# Altium PCB ROS-Robot-Controller.PcbDoc (part 1 of 2)
Units mm, origin at the board's own origin, x right, y up, seen from the top; angles counter-clockwise.
Board outline 50.09 x 64.28 mm, 2 copper layers (Top Layer, Bottom Layer); 82 components, 85 nets, 425 pads, 289 vias.
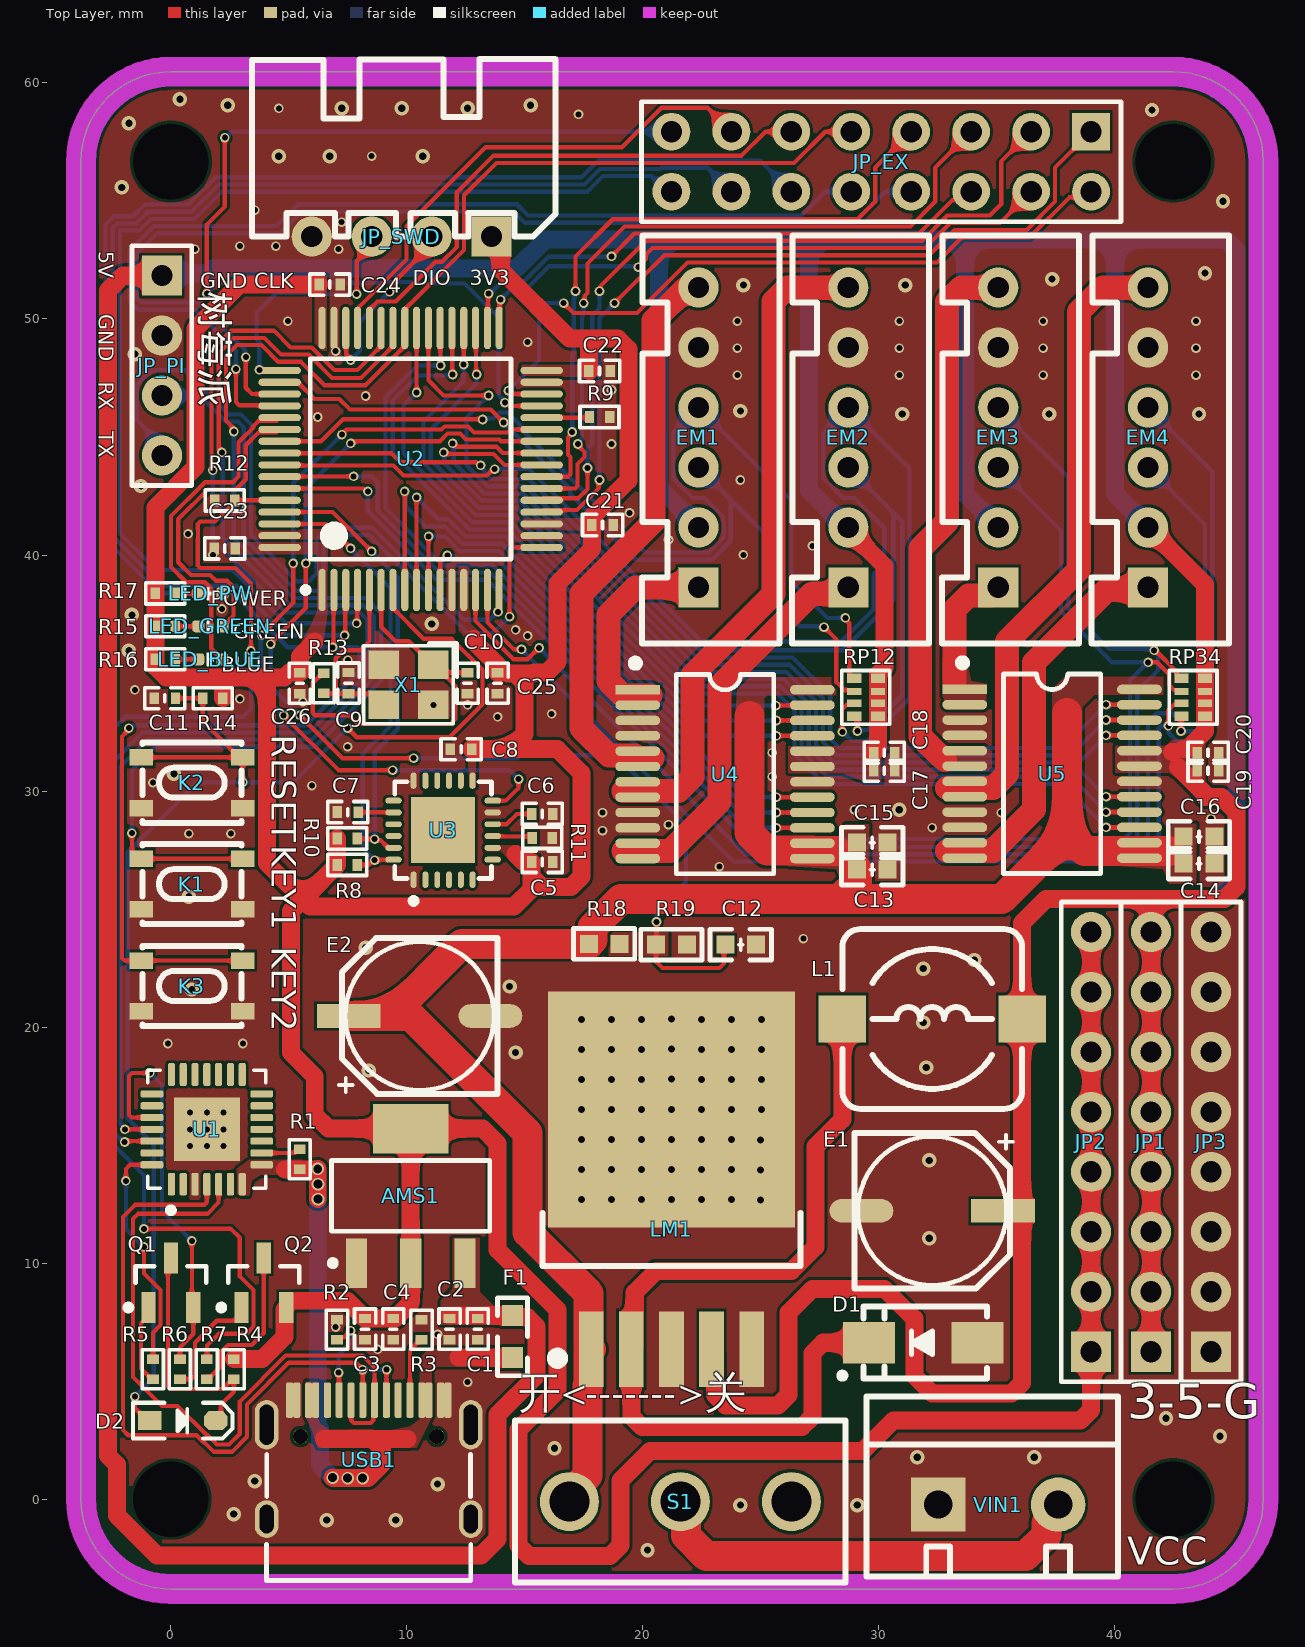
[diagram p0: Top Layer view]
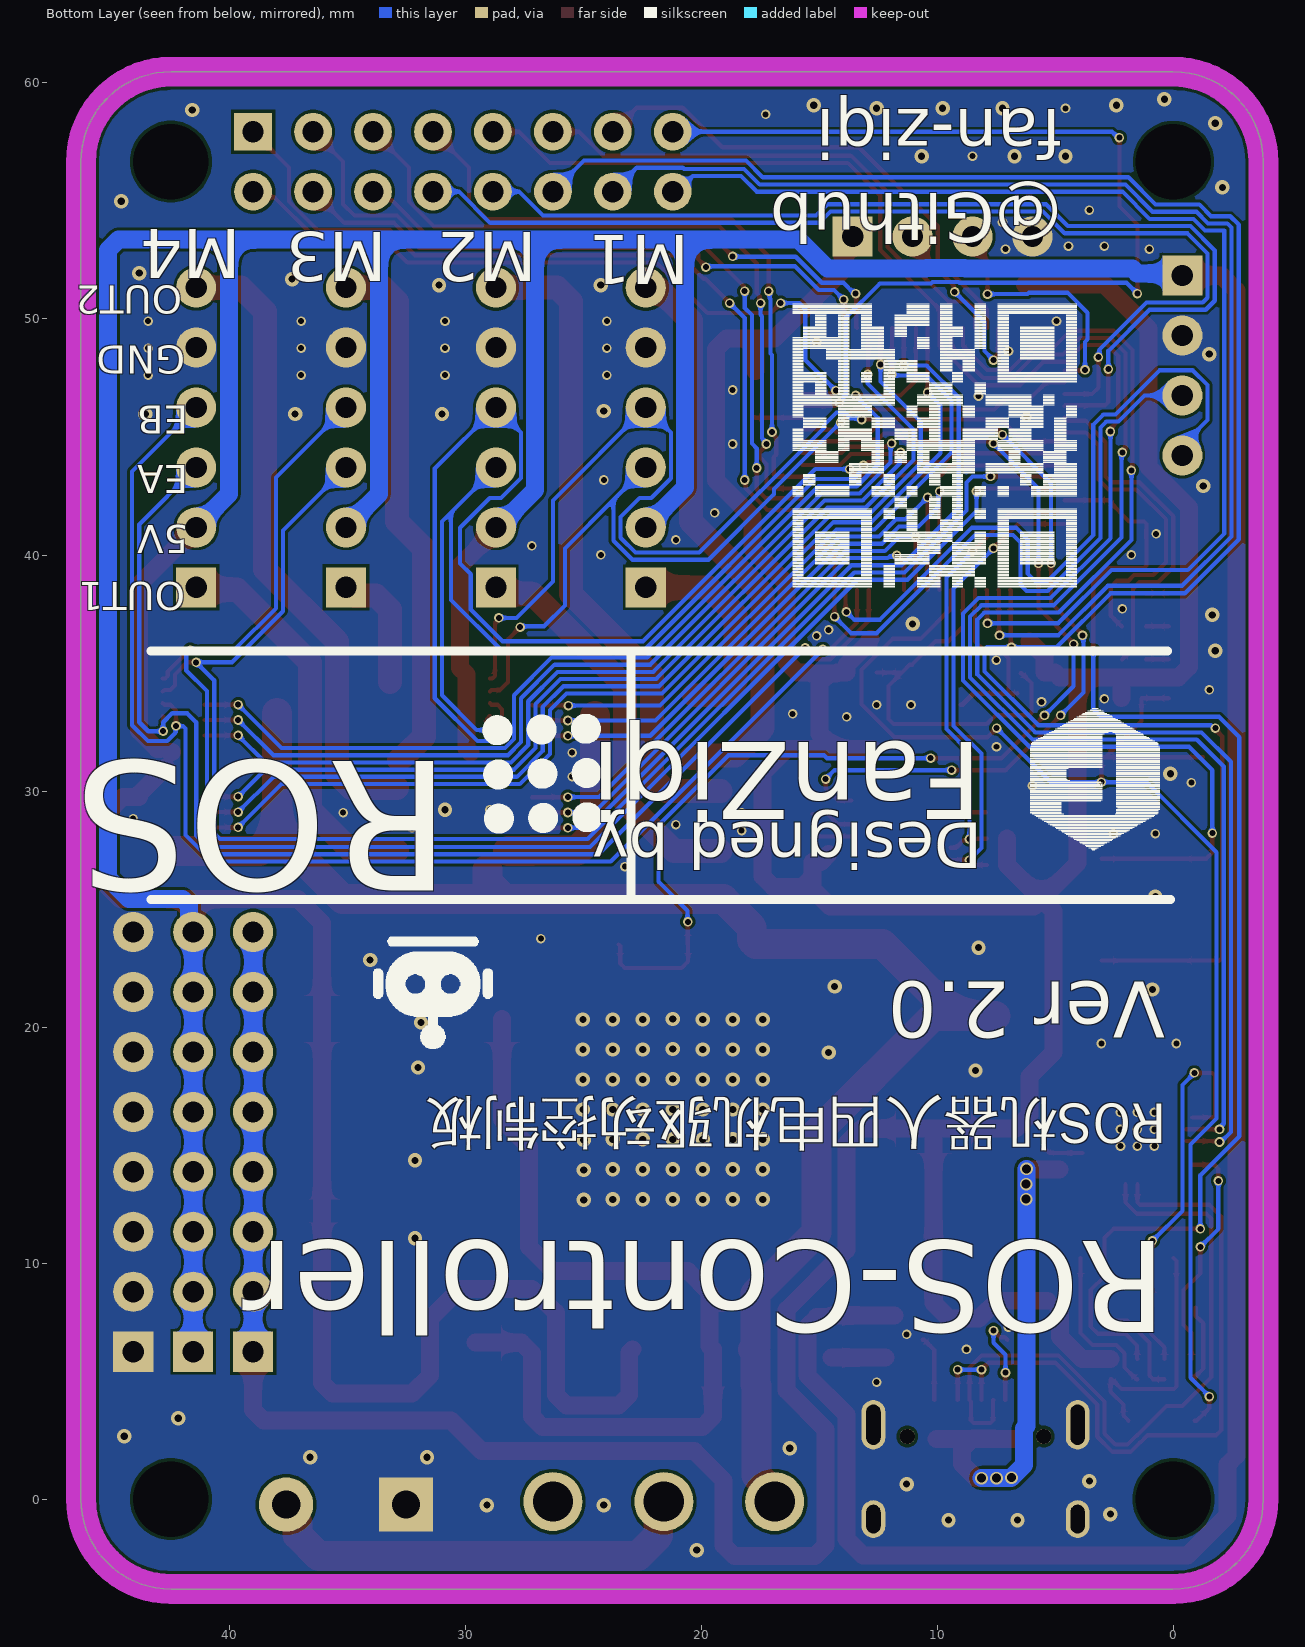
[diagram p1: Bottom Layer view, seen from below]

## Layer stack, top to bottom
Top Solder: solder mask 0.0102, Solder Resist, Dk 3.5
Top Layer: signal copper 0.0356
Dielectric 1: dielectric 0.32, FR-4, Dk 4.8
Bottom Layer: signal copper 0.0356
Bottom Solder: solder mask 0.0102, Solder Resist, Dk 3.5

## Board outline
-3.81,0 ccw(c0,0) 0,-3.81 42.474,-3.81 ccw(c42.474,0) 46.284,0 46.284,56.665 ccw(c42.474,56.665) 42.474,60.475 0,60.475 ccw(c0,56.665) -3.81,56.665

## Design rules (kind name [scope] priority, off if disabled: settings)
Clearance [All] p1: gap=0.127 ignorepadtopadclearanceinfootprint=FALSE except(0: Arc-Text Track-Text SMDPad-Text THPad-Text Via-Text Fill-Text Poly-Text Region-Text Text-Text Text-Hole)
ComponentClearance [All] p1: gap=0 collisioncheckmode=3 verticalgap=0 showdistances=FALSE
DiffPairsRouting [InDifferentialPairClass('USB')] p1: maxlimit=0.178 minlimit=0.127 mostfreqgap=0.152 toplayer_minwidth=0.102 toplayer_maxwidth=0.229 toplayer_prefwidth=0.102 bottomlayer_minwidth=0.102 bottomlayer_maxwidth=0.229 bottomlayer_prefwidth=0.102 maxuncoupledlength=12.7
FanoutControl Fanout_BGA [All] p1: bgadir=Out bgaviamode=Centered fanoutstyle=Auto fanoutdirection=Alternating viagrid=0.025 // Fanout_BGA (Default Rule)
HoleSize [All] p1: absolutevalues=TRUE maxlimit=5.969 minlimit=0.203 maxpercent=80.000 minpercent=20.000
MatchedLengths DiffPair_MatchedLengths [InDifferentialPair ('USB')] p1: tolerance=25.4 checknetsindiffpair=FALSE checkdiffpairvsdiffpair=TRUE checkxsignals=TRUE checkothers=TRUE
MinimumSolderMaskSliver [All] p1 off: minsoldermaskwidth=0.051
NetsToIgnore [InNet('GND')] p1:
PlaneClearance [All] p1: clearance=0.203
PlaneConnect [All] p1: planeconnectstyle=Direct reliefexpansion=0.508 reliefentries=4 reliefconductorwidth=0.254 reliefairgap=0.254
PolygonConnect [All] p1: connectstyle=Direct reliefconductorwidth=0.254 reliefentries=4 polygonreliefangle="90 Angle" airgapwidth=0.254
RoutingVias [All] p1: holewidth=0.254 width=0.406 viastyle="Through Hole" minholewidth=0.152 minwidth=0.305 maxholewidth=0.711 maxwidth=1.27
SMDNeckDown [All] p1: percent=10000.000
SilkToSilkClearance [All] p1: silktosilkclearance=0
SilkToSolderMaskClearance [IsPad] p1: minsilkscreentomaskgap=0 clearancetoexposedcopper=TRUE
SolderMaskExpansion [All] p1: expansion=0.076 istentingtop=FALSE
Width [InNetClass('BuXian')] p1: maxlimit=0.178 minlimit=0.178 preferedwidth=0.178
Width MOTOR [InNetClass('MOTOR')] p2: maxlimit=1.016 minlimit=1.016 preferedwidth=1.016
Width VCC12V [InNetClass('VCC12V')] p3: maxlimit=1.27 minlimit=1.27 preferedwidth=1.27
Width VCC3V3 [InNetClass('VCC3V3')] p4: maxlimit=0.762 minlimit=0.762 preferedwidth=0.762
Width VCC5V [InNetClass('VCC5V')] p5: maxlimit=0.762 minlimit=0.762 preferedwidth=0.762
Width GND [InNet('GND')] p6: maxlimit=1.524 minlimit=1.524 preferedwidth=1.524
21 further rules are at their usual default settings.

## Classes and differential pairs
net class MOTOR: M1OUT1 M1OUT2 M2OUT1 M2OUT2 M3OUT1 M3OUT2 M4OUT1 M4OUT2
net class VCC5V: NetD1_2 USB_5V VCC5V
net class VCC3V3: VCC3V3
net class VCC12V: NetS1_2 VCC12V
net class BuXian: BOOT0 BOOT1 CP2102_D+ CP2102_D- DTR KEY1 KEY2 LED_BLUE LED_GREEN M1EA M1EB M1IN1 M1IN2 M1PWM M2EA M2EB M2IN1 M2IN2 M2PWM M3EA M3EB M3IN1 M3IN2 M3PWM M4EA M4EB M4IN1 M4IN2 M4PWM MPU6050_INT MPU6050_SCL MPU6050_SDA NetC6_2 NetC7_1 NetD2_2 NetLED_BLUE_1 NetLED_GREEN_1 NetLED_PW_1 NetQ1_1 NetQ2_1 NetQ2_3 NetR1_1 NetR2_2 NetR3_2 NetR11_2 OSCIN OSCOUT PA4 PA5 PA6 PA7 PA11 PA12 PB10 PB11 PB12 PB13 PC10 PC11 PC14 PC15 RESET RTS SWCLK SWDIO USART1_RX_DEBUG USART1_TX_DEBUG USART2_RX_PI USART2_TX_PI VIN_ADC

## Components (designator, comment, footprint, x,y, rotation, side; value= is the part's Value field where it differs from the comment)
AMS1 "AMS1117-3V3" SOT223_L 10.16,12.85 r90 top
C1 "22uf" C0402_L 13.005,7.204 r90 top
C2 "0.1uf" C0402_L 11.811,7.204 r90 top
C3 "0.1uf" C0402_L 8.23,7.204 r90 top
C4 "22uf" C0402_L 9.423,7.204 r90 top
C5 "0.1uf" C0402_L 15.739,26.999 r180 top
C6 "0.1uf" C0402_L 15.739,29.031 r180 top
C7 "2.2nf" C0402_L 7.493,29.106 r180 top
C8 "0.1uf" C0402_L 12.296,31.773 r180 top
C9 "20pf" C0402_L 7.527,34.574 r90 top
C10 "20pf" C0402_L 12.573,34.567 r270 top
C11 "0.1uf" C0402_L -0.254,33.932 r0 top
C12 "0.1uf" C0603_L 24.145,23.495 r180 top
C13 "0.1uf" C0603_L 29.718,26.67 r180 top
C14 "0.1uf" C0603_L 43.561,26.924 r180 top
C15 "10uf" C0603_L 29.718,27.813 r180 top
C16 "10uf" C0603_L 43.561,28.067 r180 top
C17 "0.1uf" C0402_L 30.226,30.861 r0 top
C18 "10uf" C0402_L 30.226,31.623 r180 top
C19 "0.1uf" C0402_L 43.942,30.861 r0 top
C20 "10uf" C0402_L 43.942,31.623 r180 top
C21 "0.1uf" C0402_L 18.288,41.275 r180 top
C22 "0.1uf" C0402_L 18.161,47.798 r180 top
C23 "0.1uf" C0402_L 2.286,40.282 r0 top
C24 "0.1uf" C0402_L 6.731,51.458 r180 top
C25 "0.1uf" C0402_L 13.843,34.567 r90 top
C26 "0.1uf" C0402_L 5.461,34.567 r90 top
D1 "SS54" SMA 31.877,6.627 r180 top
D2 "1N4148" SOD-323 0.508,3.325 r0 top
E1 "220uf/16V" "CE D(6.3*7.7)" 32.258,12.215 r0 top
E2 "100uf/35V" "CE D(6.3*7.7)" 10.541,20.47 r180 top
EM1 "HDR-1X6" XH2.54-LI-6P 22.352,44.981 r90 top
EM2 "HDR-1X6" XH2.54-LI-6P 28.702,44.981 r90 top
EM3 "HDR-1X6" XH2.54-LI-6P 35.052,44.981 r90 top
EM4 "HDR-1X6" XH2.54-LI-6P 41.402,44.981 r90 top
F1 "MSMD200-8V 2A" "FU 0603" 14.478,6.881 r90 top
JP1 "HDR-1X8" HDR2.54-LI-8P 41.529,15.136 r90 top
JP2 "HDR-1X8" HDR2.54-LI-8P 38.989,15.136 r90 top
JP3 "HDR-1X8" HDR2.54-LI-8P 44.069,15.136 r90 top
JP_EX "Header 8X2" HDR2.54-LI-2x8P 30.099,56.665 r180 top
JP_PI "HDR-1X4" HDR2.54-LI-4P -0.381,48.029 r270 top
JP_SWD "HDR-1X4" XH2.54-WI-4P 9.779,53.49 r180 top
K1 "TACT 4P" SW-SMD_4P-L4.2-W3.3-P2.15-LS5.1 0.889,26.058 r0 top value=3.4x3.5
K2 "TACT 4P" SW-SMD_4P-L4.2-W3.3-P2.15-LS5.1 0.889,30.353 r0 top value=3.4x3.5
K3 "TACT 4P" SW-SMD_4P-L4.2-W3.3-P2.15-LS5.1 0.889,21.74 r0 top value=3.4x3.5
L1 "33uH" CDRH74 32.258,20.343 r0 top
LED_BLUE "红色" LED_0402_RED 1.672,35.583 r0 top
LED_GREEN "红色" LED_0402_RED 1.672,36.98 r0 top
LED_PW "红色" LED_0402_RED 1.672,38.377 r0 top
LM1 "LM2596S" TO263-5A 21.209,6.096 r0 top
Q1 "SS8050" SOT23-3N 0,9.167 r90 top
Q2 "SS8550" SOT23-3N 3.937,9.167 r90 top
R1 "4.7K" R0402_L 5.461,14.397 r270 top
R2 "5.1K" R0402_L 7.036,7.179 r270 top
R3 "5.1K" R0402_L 10.617,7.179 r270 top
R4 "10K" R0402_L 2.667,5.507 r270 top
R5 "1K" R0402_L -0.762,5.507 r270 top
R6 "1K" R0402_L 0.381,5.507 r270 top
R7 "1K" R0402_L 1.524,5.507 r90 top
R8 "4.7K" R0402_L 7.468,26.872 r180 top
R9 "10K" R0402_L 18.161,45.847 r0 top
R10 "4.7K" R0402_L 7.468,27.989 r180 top
R11 "10K" R0402_L 15.739,28.015 r180 top
R12 "10K" R0402_L 2.286,42.314 r180 top
R13 "1M" R0402_L 6.477,34.567 r270 top
R14 "10K" R0402_L 1.778,33.932 r0 top
R15 "1K" R0402_L -0.233,36.98 r180 top
R16 "1K" R0402_L -0.233,35.583 r180 top
R17 "1K" R0402_L -0.233,38.377 r180 top
R18 "10K" R0603_L 18.356,23.526 r180 top
R19 "1K" R0603_L 21.209,23.495 r180 top
RP12 "4.7K" RCA-8P4R-0402 29.456,33.97 r270 top
RP34 "4.7K" RCA-8P4R-0402 43.315,33.97 r270 top
S1 "SS-12F23" SS-12D10 21.589,-0.104 r180 top
U1 "CP2102" QFN-28 1.524,15.667 r90 top value=Value
U2 "STM32F103RCT6" LQFP64_N 10.16,44.069 r90 top
U3 "MPU6050" QFN-24 11.534,28.344 r90 top
U4 "TB6612FNG" SSOP24_M 23.478,30.716 r0 top
U5 "TB6612FNG" SSOP24_M 37.338,30.734 r0 top
USB1 "Type-C" Type-C-TOP 8.382,1.674 r270 top
VIN1 "HDR-1X2" KF301-5.0-2P 37.592,-0.231 r0 top
X1 "8M" "OSC 3225-4P" 10.067,34.505 r180 top

## Footprints (in the part's own frame and the unit in brackets; to place one, negate y for a bottom-side part, rotate by r counter-clockwise, add the part's x,y. Pads: shape width x height; smd on the part's side, far side on the other; paste and mask are expansions set on the pad)
C0402_L [mm] "无极性贴片电容"
  rect 0.4x0.5 smd: 1(-0.45,0) 2(0.45,0)
  silkscreen extent -0.85,-0.45 0.85,0.45, body extent -0.5,-0.26 0.5,0.26, height 0.54
C0603_L [mil] "无极性贴片电容"
  rect 30x30 smd: 1(-25.59,0) 2(25.59,0)
  silkscreen extent -51,-26 51,26, body extent -31,-16 32,16, height 33
CDRH74 [mm] "7.3*7.3*4.5mm（长宽高）"
  rect 2x2 smd: 1(-3.81,0) 2(3.81,0)
  silkscreen extent -3.81,-3.81 3.81,3.81, body extent -3.65,-3.65 3.65,3.65, height 4.52
"CE D(6.3*7.7)" [mm] "贴片电解电容，直径6.3mm，高7.7mm"
  rect 2.7x1 smd: 1(3,0)
  oval 2.7x1 smd: 2(-3,0)
  silkscreen extent -3.3,-3.3 3.43,3.3, body extent -3.5,-3.3 3.5,3.3, height 7.75
"FU 0603" [mil] "贴片保险丝"
  rect 35x35 smd: 1(-35,0) 2(35,0)
  silkscreen extent -65,-25 65,25, body extent -31,-16 32,16, height 20
HDR2.54-LI-2x8P [mm] "双排排针，8x2脚"
  rect 1.6x1.6 hole 0.9: 1(-8.89,-1.27)
  round 1.6 hole 0.9: 2(-8.89,1.27) 3(-6.35,-1.27) 4(-6.35,1.27) 5(-3.81,-1.27) 6(-3.81,1.27) 7(-1.27,-1.27) 8(-1.27,1.27) 9(1.27,-1.27) 10(1.27,1.27) 11(3.81,-1.27) 12(3.81,1.27) 13(6.35,-1.27) 14(6.35,1.27) 15(8.89,-1.27) 16(8.89,1.27)
  silkscreen extent -10.16,-2.54 10.16,2.54, body extent -10.16,-2.54 10.16,2.54, height 8.5
HDR2.54-LI-4P [mm] "排针，4脚"
  rect 1.7x1.7 hole 0.9: 1(-3.81,0)
  round 1.7 hole 0.9: 2(-1.27,0) 3(1.27,0) 4(3.81,0)
  silkscreen extent -5.08,-1.27 5.08,1.27, body extent -5.08,-1.27 5.08,1.27, height 2.54
HDR2.54-LI-8P [mm] "排针，8脚  淘宝ID:黄晶宝石   店铺网址:https://shop463601444.taobao.com"
  rect 1.7x1.7 hole 0.9: 1(-8.89,0)
  round 1.7 hole 0.9: 2(-6.35,0) 3(-3.81,0) 4(-1.27,0) 5(1.27,0) 6(3.81,0) 7(6.35,0) 8(8.89,0)
  silkscreen extent -10.16,-1.27 10.16,1.27, body extent -10.16,-1.27 10.16,1.27, height 2.54
KF301-5.0-2P [mm] "可拼接端子/6A"
  rect 2.3x2.3 hole 1.2: 1(-5.08,0)
  round 2.3 hole 1.2: 2(0,0)
  silkscreen extent -8.13,-3.05 2.54,4.57, body extent -7.95,-3 2.55,4.6, height 3.29
LED_0402_RED [mil]
  rrect50% 20x20 smd: 1(-20,0) 2(20,0)
  silkscreen extent -6,-11 6,10, body extent -20,-10 20,10, height 18
LQFP64_N [mm] "Thin QFP, 64-Leads, Body 10x10mm, Pitch 0.5mm, IPC Medium Density封装库来自淘宝 ID：黄晶宝石"
  oval 1.8x0.3 smd: 1(-5.55,3.75) 2(-5.55,3.25) 3(-5.55,2.75) 4(-5.55,2.25) 5(-5.55,1.75) 6(-5.55,1.25) 7(-5.55,0.75) 8(-5.55,0.25) 9(-5.55,-0.25) 10(-5.55,-0.75) 11(-5.55,-1.25) 12(-5.55,-1.75) 13(-5.55,-2.25) 14(-5.55,-2.75) 15(-5.55,-3.25) 16(-5.55,-3.75) 33(5.55,-3.75) 34(5.55,-3.25) 35(5.55,-2.75) 36(5.55,-2.25) 37(5.55,-1.75) 38(5.55,-1.25) 39(5.55,-0.75) 40(5.55,-0.25) 41(5.55,0.25) 42(5.55,0.75) 43(5.55,1.25) 44(5.55,1.75) 45(5.55,2.25) 46(5.55,2.75) 47(5.55,3.25) 48(5.55,3.75)
  oval 0.3x1.8 smd: 17(-3.75,-5.55) 18(-3.25,-5.55) 19(-2.75,-5.55) 20(-2.25,-5.55) 21(-1.75,-5.55) 22(-1.25,-5.55) 23(-0.75,-5.55) 24(-0.25,-5.55) 25(0.25,-5.55) 26(0.75,-5.55) 27(1.25,-5.55) 28(1.75,-5.55) 29(2.25,-5.55) 30(2.75,-5.55) 31(3.25,-5.55) 32(3.75,-5.55) 49(3.75,5.55) 50(3.25,5.55) 51(2.75,5.55) 52(2.25,5.55) 53(1.75,5.55) 54(1.25,5.55) 55(0.75,5.55) 56(0.25,5.55) 57(-0.25,5.55) 58(-0.75,5.55) 59(-1.25,5.55) 60(-1.75,5.55) 61(-2.25,5.55) 62(-2.75,5.55) 63(-3.25,5.55) 64(-3.75,5.55)
  silkscreen extent -5.67,-4.25 4.25,4.57, body extent -6,-6 6,6, height 1.45
"OSC 3225-4P" [mm] "3.2*2.5*0.7mm(长宽高)"
  rect 1.3x1.2 smd: 1(-1.05,-0.85) 2(1.05,-0.85) 3(1.05,0.85) 4(-1.05,0.85)
  silkscreen extent -2.03,-1.75 1.91,1.65, body extent -1.6,-1.25 1.6,1.25, height 0.7
QFN-24 [mm] "QFN, 24-Leads, Body 4.1x4.1mm (max), Pitch 0.50mm, IPC Low Density"
  oval 0.7x0.25 smd: 1(-2.1,1.25) 2(-2.1,0.75) 3(-2.1,0.25) 4(-2.1,-0.25) 5(-2.1,-0.75) 6(-2.1,-1.25) 13(2.1,-1.25) 14(2.1,-0.75) 15(2.1,-0.25) 16(2.1,0.25) 17(2.1,0.75) 18(2.1,1.25)
  oval 0.25x0.7 smd: 7(-1.25,-2.1) 8(-0.75,-2.1) 9(-0.25,-2.1) 10(0.25,-2.1) 11(0.75,-2.1) 12(1.25,-2.1) 19(1.25,2.1) 20(0.75,2.1) 21(0.25,2.1) 22(-0.25,2.1) 23(-0.75,2.1) 24(-1.25,2.1)
  rect 2.8x2.7 smd: ""(0,0)
  silkscreen extent -3.12,-2.05 2.05,2.05, body extent -2.02,-2.02 2.02,2.02, height 0.95
QFN-28 [mil]
  rrect50% 38x12 smd mask+5: 1(-91.5,59.05) 2(-91.5,39.37) 3(-91.5,19.68) 4(-91.5,0) 5(-91.5,-19.69) 6(-91.5,-39.37) 7(-91.5,-59.06) 15(91.5,-59.06) 16(91.5,-39.37) 17(91.5,-19.69) 18(91.5,0) 19(91.5,19.68) 20(91.5,39.37) 21(91.5,59.05)
  rrect50% 12x38 smd mask+5: 8(-59.05,-91.5) 9(-39.37,-91.5) 10(-19.68,-91.5) 11(0,-91.5) 12(19.69,-91.5) 13(39.37,-91.5) 14(59.06,-91.5) 22(59.06,91.5) 23(39.37,91.5) 24(19.69,91.5) 25(0,91.5) 26(-19.68,91.5) 27(-39.37,91.5) 28(-59.05,91.5)
  rect 106.3x110.24 smd: 29(0,0)
  silkscreen extent -140,-98 99,98, body extent -98,-98 98,98, height 35
R0402_L [mm] "1/16W贴片电阻"
  rect 0.4x0.5 smd: 1(-0.425,0) 2(0.425,0)
  silkscreen extent -0.83,-0.45 0.83,0.45, body extent -0.5,-0.25 0.5,0.25, height 0.3
R0603_L [mil] "1/10W贴片电阻"
  rect 30x30 smd: 1(-25.59,0) 2(25.59,0)
  silkscreen extent -51,-26 51,26, body extent -31,-16 32,16, height 16
RCA-8P4R-0402 [mm] "2mm*1mm*0.45mm(长*宽*厚)             淘宝ID:黄晶宝石"
  rect 0.4x0.6 smd: 1(-0.8,-0.5) 4(0.8,-0.5) 5(0.8,0.5) 8(-0.8,0.5)
  rect 0.3x0.6 smd: 2(-0.25,-0.5) 3(0.25,-0.5) 6(0.25,0.5) 7(-0.25,0.5)
  silkscreen extent -1.14,-1.02 1.15,1.01, body extent -1,-0.5 1,0.5, height 0.45
SMA [mm] "4.5x2.6*2.2mm（长宽高，不包括引脚）"
  rect 2.2x1.75 smd: 1(-2.3,0) 2(2.3,0)
  silkscreen extent -2.7,-1.52 3.56,1.52, body extent -2.55,-1.3 2.55,1.3, height 2.15
SOD-323 [mm] "1.8x1.3X0.9mm（长宽高，不包括引脚）"
  rect 1x0.8 smd: 1(-1.4,0)
  oct 1x0.8 smd: 2(1.4,0)
  silkscreen extent -2.11,-0.76 2.11,0.76, body extent -1.32,-0.65 1.32,0.65, height 0.95
SOT23-3N [mm] "SOT23, 3-Leads, Body 2.9x1.3mm, Pitch 0.95mm, Lead Span 2.4mm, IPC Medium Density"
  rect 1.3x0.6 smd: 1(-1.05,0.95) 2(-1.05,-0.95) 3(1.05,0)
  silkscreen extent -1.17,-1.5 0.7,1.92, body extent -1.2,-1.5 1.2,1.5, height 1.05
SOT223_L [mm] "SOT223, 4-Leads, Body 6.5x3.5mm, Pitch 2.3mm, Lead Span 7mm, IPC High Density"
  rect 2.1x0.9 smd: 1(-2.85,2.3) 2(-2.85,0) 3(-2.85,-2.3)
  rect 2.1x3.2 smd: 4(2.85,0)
  silkscreen extent -2.97,-3.35 1.5,3.42, body extent -1.85,-3.35 1.85,3.35, height 1.7
SS-12D10 [mm] "脚距3mm      淘宝ID:黄晶宝石"
  round 2.5 hole 1.7: 1(-4.7,0) 2(0,0) 3(4.7,0)
  silkscreen extent -7,-3.43 7,3.43, body extent -7,-3.1 7,3.1, height 9.65
SSOP24_M [mm] "8.3*7.8*1.6（长宽高）"
  rect 1.9x0.4 smd: 1(-3.7,3.575)
  oval 1.9x0.4 smd: 2(-3.7,2.925) 3(-3.7,2.275) 4(-3.7,1.625) 5(-3.7,0.975) 6(-3.7,0.325) 7(-3.7,-0.325) 8(-3.7,-0.975) 9(-3.7,-1.625) 10(-3.7,-2.275) 11(-3.7,-2.925) 12(-3.7,-3.575) 13(3.7,-3.575) 14(3.7,-2.925) 15(3.7,-2.275) 16(3.7,-1.625) 17(3.7,-0.975) 18(3.7,-0.325) 19(3.7,0.325) 20(3.7,0.975) 21(3.7,1.625) 22(3.7,2.275) 23(3.7,2.925) 24(3.7,3.575)
  silkscreen extent -3.93,-4.23 2.07,4.83, body extent -3.85,-4.15 3.85,4.15, height 1.65
SW-SMD_4P-L4.2-W3.3-P2.15-LS5.1 [mm]
  rect 1x0.7 smd: 1(-2.15,1.075) 2(2.15,1.075) 3(-2.15,-1.075) 4(2.15,-1.075)
  silkscreen extent -2.1,-1.7 2.1,1.7
TO263-5A [mm] "263，5脚晶体管"
  rect 1.05x3.2 smd: 1(-3.4,0.254) 2(-1.7,0.254) 3(0,0.254) 4(1.7,0.254) 5(3.4,0.254)
  rect 10.45x10 smd: 6(0,10.414)
  silkscreen extent -5.46,-0.33 5.46,6.04, body extent -5,0.24 5,13.57, height 4.5
Type-C-TOP [mm]
  round 0.65 hole 0.65: 0(-0.98,2.89) 0(-0.98,-2.89)
  oval 1.6x1 hole 0.6 slot 1.2 at 0 deg: 1(2.52,4.325) 2(2.52,-4.325)
  oval 2.1x1 hole 0.6 slot 1.7 at 0 deg: 3(-1.48,-4.325) 4(-1.48,4.325)
  rrect50% 1.5x0.3 smd: A1(-2.52,-3.35) A4(-2.52,-2.55) A5(-2.52,-1.25) A6(-2.52,-0.25) A7(-2.52,0.25) A8(-2.52,1.25) A9(-2.52,2.55) A12(-2.52,3.35) B1(-2.52,3.05) B4(-2.52,2.25) B5(-2.52,1.75) B6(-2.52,0.75) B7(-2.52,-0.75) B8(-2.52,-1.75) B9(-2.52,-2.25) B12(-2.52,-3.05)
  silkscreen extent -0.22,-4.33 5.12,4.32, body extent -2.57,-4.48 5.18,4.48, height 3.26
XH2.54-LI-6P [mm] "接插件，6P"
  rect 1.7x1.7 hole 0.9: 1(-6.35,0)
  round 1.7 hole 0.9: 2(-3.81,0) 3(-1.27,0) 4(1.27,0) 5(3.81,0) 6(6.35,0)
  silkscreen extent -8.74,-3.43 8.56,2.39, body extent -8.85,-3.3 8.85,2.4, height 7.05
XH2.54-WI-4P [mm] "接插件，4P"
  rect 1.7x1.7 hole 0.9: 1(-3.81,0)
  round 1.7 hole 0.9: 2(-1.27,0) 3(1.27,0) 4(3.81,0)
  silkscreen extent -6.53,-7.53 6.35,0, body extent -6.31,-7.5 6.31,0.2, height 2.89

## Part data
AMS1: library part AMS1117, "三端稳压芯片", BOM名称=稳压芯片, 封装库来自淘宝卖家 ID：黄晶宝石=其他店铺购入均为盗版，请立即申请退款，本店现金奖励5~20元, 联系卖家 免费查找封装=唯一出售店铺网址https://shop463601444.taobao.com
C1 C2 C3 C4 C5 C6 C7 C8 C9 C10 C11 C12 C13 C14 C15 C16 C17 C18 C19 C20 C21 C22 C23 C24 C25 C26: library part C, "贴片电容", BOM名称=无极性贴片电容, 封装库来自淘宝卖家ID：黄晶宝石=其他店铺购入均为盗版假冒封装库，请立即申请退款, 联系卖家，免费查找封装=唯一出售店铺网址https://shop463601444.taobao.com
D1: library part SS14, "肖特基二极管(5A/40V)", BOM名称=肖特基二极管, 属性=40V/1A, 联系卖家，免费查找封装=唯一出售店铺网址https://shop463601444.taobao.com
D2: "开关二极管", BOM名称=高速开关二极管, 联系卖家，免费查找封装=唯一出售店铺网址https://shop463601444.taobao.com
E1 E2: library part CE_SMD, "贴片电解电容", BOM名称=贴片电解电容, 封装库来自淘宝卖家ID：黄晶宝石=其他店铺购入均为盗版假冒封装库，请立即申请退款, 联系卖家，免费查找封装=唯一出售店铺网址https://shop463601444.taobao.com
EM1 EM2 EM3 EM4: library part "Header 6", "6P接插件", BOM名称=6P接插件, 封装库来自淘宝卖家 ID：黄晶宝石=其他店铺购入均为盗版假冒封装库, 联系卖家，免费查找封装=唯一出售店铺网址https://shop463601444.taobao.com
F1: library part FU, "贴片保险丝", BOM名称=贴片保险丝, 联系卖家，免费查找封装=唯一出售店铺网址https://shop463601444.taobao.com
JP1 JP2 JP3: library part "Header 8", "8P接插件", BOM名称=8P接插件, 封装库来自淘宝卖家 ID：黄晶宝石=其他店铺购入均为盗版假冒封装库, 联系卖家，免费查找封装=唯一出售店铺网址https://shop463601444.taobao.com
JP_EX: "8*2P接插件", BOM名称=8*2P接插件, 封装库来自淘宝卖家 ID：黄晶宝石=其他店铺购入均为盗版假冒封装库, 联系卖家，免费查找封装=唯一出售店铺网址https://shop463601444.taobao.com
JP_PI JP_SWD: library part "Header 4", "4P接插件", BOM名称=4P接插件, 封装库来自淘宝卖家 ID：黄晶宝石=其他店铺购入均为盗版假冒封装库, 联系卖家，免费查找封装=唯一出售店铺网址https://shop463601444.taobao.com
K1 K2 K3: library part ButtonTACT, "Button", Type="TACT 4P"
L1: library part L-CDRH, "CDRH功率屏蔽电感", BOM名称=功率屏蔽电感, 封装库来自淘宝卖家ID：黄晶宝石=其他店铺购入均为盗版假冒封装库，请立即申请退款, 联系卖家，免费查找封装=唯一出售店铺网址https://shop463601444.taobao.com
LED_BLUE LED_GREEN LED_PW: library part LED-SMD, "贴片LED", BOM名称=贴片LED, 封装库来自淘宝卖家 ID：黄晶宝石=其他店铺购入均为假冒，请立即申请退款，本店奖励现金5~20元
LM1: "3A DC-DC降压芯片", BOM名称=DC降压芯片, 封装库来自淘宝卖家 ID：黄晶宝石=其他店铺购入均为盗版，请立即申请退款，本店现金奖励5~20元, 联系卖家 免费查找封装=唯一出售店铺网址https://shop463601444.taobao.com
Q1: library part 8050-SMD, "高频放大-NPN型", BOM名称=高频放大-NPN型, 参数="40V 1.5A 1W 100MHZ", 封装库来自淘宝卖家 ID：黄晶宝石=其他店铺购入均为盗版，不享受售后技术支持服务，请立即申请退款, 联系卖家，免费查找封装=唯一出售店铺网址https://shop463601444.taobao.com
Q2: library part 8550-SMD, "高频放大-PNP型", BOM名称=高频放大-PNP型, 参数="40V 1.5A 1W 100MHZ", 封装库来自淘宝卖家 ID：黄晶宝石=其他店铺购入均为盗版，不享受售后技术支持服务，请立即申请退款, 联系卖家，免费查找封装=唯一出售店铺网址https://shop463601444.taobao.com
R1 R2 R3 R4 R5 R6 R7 R8 R9 R10 R11 R12 R13 R14 R15 R16 R17 R18 R19: library part R, "贴片电阻", BOM名称=贴片电阻, 封装库来自淘宝卖家ID：黄晶宝石=其他店铺购入均为盗版假冒封装库，请立即申请退款, 联系卖家，免费查找封装=唯一出售店铺网址https://shop463601444.taobao.com
RP12 RP34: library part R-8P4R, "贴片4P排阻", BOM名称=贴片网络排阻, 封装库来自淘宝卖家ID：黄晶宝石=其他店铺购入均为盗版假冒封装库，请立即申请退款, 联系卖家，免费查找封装=唯一出售店铺网址https://shop463601444.taobao.com
S1: library part SSW-1P, "1路波动开关", BOM名称=波动开关, 联系卖家，免费查找封装=唯一出售店铺网址https://shop463601444.taobao.com
U1: "USB转TTL", MFG #1="SILICON LABS", PART DESC="SINGLE-CHIP USB TO UART BRIDGE, QFN28, RoHS.", PART NUMBER=CP2102, RefDes=RefDes, Type=DEV
U2: "STM32 ARM-based 32-bit MCU Performance Line with 256 kB Flash, 48 kB Internal RAM, -40 to +85癈 Temperature, 64-Pin LQFP, Tray", ComponentLink1Description="Manufacturer URL", ComponentLink1URL=http://www.st.com/, ComponentLink2Description="STM32F103 Datasheet", ComponentLink2URL=http://www.st.com/internet/com/TECHNICAL_RESOURCES/TECHNICAL_LITERATURE/DATASHEET/CD00191185.pdf, ComponentLink3Description="STM32 Family Web Page", ComponentLink3URL=www.st.com/stm32, DatasheetVersion="rev8.0, Apr-2011", PackageDescription="64-Pin Low-Profile Quad Flat Pack, 10 x 10 mm Body, 0.5 mm Pitch (LQFP64)", PackageReference=LQFP64, PackageVersion="rev13, Apr-2011", 联系卖家，免费查找封装=唯一出售店铺网址https://shop463601444.taobao.com
U3: "六轴传感器"
U4 U5: "电机驱动", BOM名称=TB6612FNG, 联系卖家，免费查找封装=唯一出售店铺网址https://shop463601444.taobao.com
USB1: library part USB-Type-C-TOP
VIN1: library part "Header 2", "2P接插件", BOM名称=2P接插件, 封装库来自淘宝卖家 ID：黄晶宝石=其他店铺购入均为盗版假冒封装库, 联系卖家，免费技术支持=唯一出售店铺网址https://shop463601444.taobao.com
X1: library part XTAL-4P, "4脚无源晶振", BOM名称=4脚无源晶振, 联系卖家，免费查找封装=唯一出售店铺网址https://shop463601444.taobao.com

## Free pads (board coordinates)
  round 0 hole 3.2: 5(0,0) 5(0,56.665) 5(42.474,0) 5(42.474,56.665)

## Via types
v1: diameter 0.406, hole 0.254, Top Layer to Bottom Layer, tented both sides, 181 vias
v2: diameter 0.61, hole 0.305, Top Layer to Bottom Layer, tented both sides, 102 vias
v3: diameter 0.533, hole 0.381, Top Layer to Bottom Layer, tented both sides, 6 vias

## Nets (pads, with @x,y where several pads share a name; then routed paths per layer and width w, separated by ;. In a path a pad name is that pad's centre, name@x,y a point inside that pad or via, vN(x,y) a via of type N, cw(c..) or ccw(c..) an arc to the next point about the centre after c; other vN are vias at no path point)
BOOT0: R7.2 R12.1 U2.60 | length 52.9
  Top Layer w0.178: v1(-1.143,11.453) 2.54,11.453 2.921,11.072 2.921,9.438 3.503,8.856 3.503,7.313 3.198,7.008 2.032,7.008 1.536,6.512 1.536,5.944 R7.2@1.524,5.932 ; R12.1@2.711,42.314 2.711,42.264 1.872,41.425 1.247,41.425 1.143,41.321 1.143,41.074 1.149,41.068 1.149,40.72 1.143,40.714 1.143,39.561 1.247,39.457 2.73,39.457 3.391,38.796 v1(3.391,35.941) ; R12.1@2.711,42.319 U2.60@4.61,42.319
  Bottom Layer w0.178: v1(-1.143,11.453) -1.143,13.725 -2.794,15.376 -2.794,32.281 -1.928,33.147 3.071,33.147 3.391,33.467 v1(3.391,35.941)
BOOT1: R9.1 U2.28 | length 2
  Top Layer w0.178: U2.28@15.71,45.819 17.708,45.819 R9.1@17.736,45.847
CP2102_D+: U1.4 USB1.A6 USB1.B6 | length 30.2
  Top Layer w0.178: U1.4@1.524,13.343 1.524,12.578 1.415,12.469 -1.524,12.469 -2.032,11.961 -2.032,2.933 -1.804,2.705 1.092,2.705 1.392,2.404 1.421,2.404 1.821,2.004 2.587,2.004 3.226,2.643 3.226,4.011 4.991,5.776 7.836,5.776 8.13,5.482 USB1.A6@8.13,4.196 ; USB1.B6@9.132,4.194 9.138,4.2 9.138,5.478 v1(9.144,5.484)
  Bottom Layer w0.178: v1(8.128,5.484) v1(9.144,5.484)
CP2102_D-: U1.5 USB1.A7 USB1.B7 | length 29.6
  Top Layer w0.178: U1.5@2.024,13.343 2.024,12.565 1.547,12.088 -1.397,12.088 -1.608,11.877 -1.608,5.173 -0.376,3.941 0.287,3.941 1.519,2.709 1.547,2.709 1.947,2.309 2.46,2.309 2.921,2.77 2.921,4.137 4.865,6.081 8.124,6.081 8.632,5.573 USB1.A7@8.632,4.194 8.571,4.133 8.571,3.325 8.467,3.221 7.745,3.221 7.641,3.325 7.641,4.185 USB1.B7@7.632,4.194
DTR: R5.1 U1.28 | length 10
  Top Layer w0.178: v1(-1.905,13.485) -1.905,13.993 -1.731,14.167 U1.28@-0.8,14.167 ; v1(-1.143,10.691) -1.143,9.565 -0.434,8.856 -0.434,7.378 -0.762,7.05 R5.1@-0.762,5.932
  Bottom Layer w0.178: v1(-1.905,13.485) -1.905,11.453 v1(-1.143,10.691)
GND: AMS1.1 C1.1 C2.1 C3.1 C4.1 C5.1 C6.1 C7.2 C8.2 C9.2 C10.2 C11.1 C12.1 C13.1 C14.1 C15.1 C16.1 C17.2 C18.1 C19.2 C20.1 C21.1 C22.1 C23.1 C24.1 C25.1 C26.1 D1.1 E1.2 E2.2 EM1.5 EM2.5 EM3.5 EM4.5 JP3.1 JP3.2 JP3.3 JP3.4 JP3.5 JP3.6 JP3.7 JP3.8 JP_PI.2 JP_SWD.4 K1.3 K1.4 K2.3 K2.4 K3.3 K3.4 LED_PW.2 LM1.3 LM1.5 LM1.6 R2.1 R3.1 R9.2 R11.1 R12.2 R19.1 U1.3 U1.29 U2.12 U2.18 U2.31 U2.47 U2.63 U3.1 U3.11 U3.18 U4.3 U4.4 U4.9 U4.10 U4.18 U5.3 U5.4 U5.9 U5.10 U5.18 USB1.1 USB1.2 USB1.3 USB1.4 USB1.A1 USB1.A12 USB1.B1 USB1.B12 VIN1.1 X1.2 X1.4
  other v1: 12.573,4.953 8.763,6.35 11.303,6.985 6.985,7.284 0.808,14.951 1.524,14.951 2.24,14.951 0.808,15.667 1.524,15.667 2.24,15.667 0.808,16.383 1.524,16.383 2.24,16.383 -0.127,19.304 3.048,19.304 26.797,23.749 23.241,26.797 0.762,28.194 2.54,28.194 18.288,28.321 32.258,28.448 21.082,28.575 44.069,28.829 18.288,29.083 35.179,29.083 28.956,29.21 5.969,30.226 -0.762,30.353 25.476,30.607 25.476,31.623 7.493,31.877 13.843,33.147 16.129,33.274 11.117,33.655 12.573,33.655 5.588,33.782 2.921,33.909 -1.524,34.29 7.503,35.55 15.113,36.576 14.605,36.83 2.159,37.719 1.778,40.005 24.257,40.005 27.178,40.386 21.082,40.64 0.73,40.894 19.431,41.783 24.13,43.18 18.669,44.704 6.223,45.847 8.255,46.736 18.669,46.99 24.003,47.625 30.861,47.625 36.957,47.625 43.434,47.625 6.985,48.641 24.003,48.768 30.861,48.768 36.957,48.768 43.434,48.768 15.113,49.022 4.953,49.911 24.003,49.911 30.861,49.911 36.957,49.911 43.434,49.911 1.016,52.959 7.112,52.959 2.921,53.086 4.445,53.086 7.239,54.102 3.556,54.61 8.509,56.896 17.272,58.674 4.572,58.928
  other v2: 20.193,-2.159 6.604,-0.889 9.525,-0.889 2.667,-0.635 24.13,-0.254 29.083,-0.254 11.303,0.635 3.556,0.762 31.623,1.778 36.576,1.778 16.256,2.159 44.45,2.667 42.164,3.429 32.131,11.049 24.985,12.676 17.399,12.7 18.669,12.7 19.939,12.7 21.209,12.7 22.479,12.7 23.749,12.7 24.985,13.946 17.399,13.97 18.669,13.97 19.939,13.97 21.209,13.97 22.479,13.97 23.749,13.97 32.131,14.351 24.985,15.216 17.399,15.24 18.669,15.24 19.939,15.24 21.209,15.24 22.479,15.24 23.749,15.24 17.399,16.51 18.669,16.51 19.939,16.51 21.209,16.51 22.479,16.51 23.749,16.51 25.019,16.51 17.399,17.78 18.669,17.78 19.939,17.78 22.479,17.78 23.749,17.78 25.019,17.78 21.209,17.801 8.382,18.161 32.004,18.288 14.605,18.923 17.399,19.05 18.669,19.05 19.939,19.05 22.479,19.05 23.749,19.05 25.019,19.05 21.209,19.071 31.877,20.193 17.399,20.32 18.669,20.32 19.939,20.32 22.479,20.32 23.749,20.32 25.019,20.32 21.209,20.341 0.889,21.59 14.351,21.717 31.877,22.479 34.034,22.843 8.255,23.368 0.762,25.527 30.861,29.21 0.127,30.734 -1.778,35.941 11.049,37.084 -1.651,37.465 -1.27,42.926 30.988,45.974 37.211,45.974 43.561,45.974 24.13,46.101 -1.524,48.514 24.257,51.435 31.115,51.435 37.338,51.689 43.815,51.943 44.577,54.991 -2.079,55.576 4.572,56.896 6.731,56.896 10.668,56.896 -1.778,58.293 41.567,58.854 7.239,58.928 9.779,58.928 12.573,58.928 2.413,59.055 15.24,59.055 0.381,59.309
KEY1: JP_EX.9 K1.1 K1.2 U2.41 | length 72.8
  Top Layer w0.178: v1(-1.651,28.217) -1.651,27.394 -1.39,27.133 K1.2@3.039,27.133 ; v1(2.667,45.235) 2.667,45.362 2.337,45.692 2.337,48.438 2.794,48.895 3.838,48.895 4.548,48.185 5.512,48.185 6.503,47.193 8.252,47.193 9.91,48.852 U2.41@9.91,49.619 9.91,50.402 9.971,50.463 9.971,50.474 12.42,52.922 12.42,55.242 13.792,56.614 26.405,56.614 27.726,57.935 JP_EX.9@28.829,57.935
  Bottom Layer w0.178: v1(-1.651,28.217) -1.651,30.881 -0.657,31.875 6.1,31.875 8.915,34.69 8.915,37.52 8.262,38.174 5.2,38.174 2.667,40.707 v1(2.667,45.235)
KEY2: JP_EX.12 K3.1 K3.2 U2.2 | length 85.9
  Top Layer w0.178: v1(-1.778,32.662) -1.778,32.6 -2.07,32.308 -2.07,22.919 -1.966,22.815 K3.1@-1.261,22.815 K3.2@3.039,22.815 ; v1(6.858,36.091) 6.887,36.12 6.887,38.496 U2.2@6.91,38.519
  Bottom Layer w0.178: v1(-1.778,32.662) -1.716,32.662 -1.589,32.789 5.722,32.789 8.001,35.068 8.001,35.987 7.897,36.091 v1(6.858,36.091) 4.953,36.091 2.666,38.378 -0.482,38.378 -2.769,40.665 -2.769,53.997 -2.412,54.354 -1.596,54.354 -1.1,54.849 0.752,54.849 1.908,56.005 17.4,56.005 18.112,56.716 24.968,56.716 JP_EX.12@26.289,55.395
LED_BLUE: LED_BLUE.2 U2.53 | length 14.7
  Top Layer w0.178: LED_BLUE.2@2.18,35.583 2.167,35.583 1.71,36.04 1.71,38.57 1.433,38.847 0.65,38.847 0.006,39.491 0.006,41.645 1.445,43.085 2.625,43.085 2.87,43.33 2.87,44.778 3.494,45.402 3.494,45.471 3.708,45.685 4.476,45.685 U2.53@4.61,45.819
LED_GREEN: LED_GREEN.2 U2.54 | length 13.2
  Top Layer w0.178: LED_GREEN.2@2.18,36.98 2.201,36.98 2.65,37.429 2.65,38.646 2.386,38.91 1.906,38.91 1.665,39.152 0.853,39.152 0.311,39.694 0.311,41.519 1.572,42.78 2.751,42.78 3.175,43.204 3.175,44.651 3.708,45.185 4.476,45.185 U2.54@4.61,45.319
M1EA: EM1.3 RP12.2 U2.50 | length 37.4
  Top Layer w0.178: U2.50@4.61,47.319 5.377,47.319 6.087,46.609 7.135,46.609 7.582,46.162 13.551,46.162 v1(14.097,45.616) ; v1(27.673,36.948) 28.194,36.428 28.194,34.613 28.526,34.281 28.895,34.281 RP12.2@28.956,34.22
  Bottom Layer w0.178: v1(14.097,45.616) 16.919,42.794 16.919,42.579 19.697,39.8 22.92,39.8 23.723,40.603 23.723,42.34 ; EM1.3@22.352,43.711 23.723,42.34 ; v1(27.673,36.948) 27.642,36.98 26.66,36.98 25.781,37.859 25.781,40.282 23.723,42.34
M1EB: EM1.4 RP12.1 U2.55 | length 44
  Top Layer w0.178: U2.55@4.61,44.819 6.365,44.819 7.302,45.756 13.195,45.756 v1(13.208,45.743) ; v1(28.575,37.338) 28.575,37.276 28.745,37.106 28.745,34.881 28.856,34.77 RP12.1@28.956,34.77
  Bottom Layer w0.178: v1(13.208,45.743) 13.252,45.787 13.669,45.787 13.918,46.035 14.271,46.035 14.804,45.501 14.804,45.387 20.087,40.105 22.794,40.105 23.418,40.73 23.418,41.613 22.612,42.418 22.121,42.418 21.286,43.253 21.286,45.185 EM1.4@22.352,46.251 26.289,42.314 26.289,38.877 27.828,37.338 v1(28.575,37.338)
M1IN1: U2.8 U4.21 | length 26.1
  Top Layer w0.178: v1(9.906,42.695) 9.91,42.691 U2.8@9.91,38.519 ; v1(25.654,32.341) U4.21@27.178,32.341
  Bottom Layer w0.178: v1(9.906,42.695) 9.95,42.651 9.95,42.059 10.799,41.209 11.619,41.209 12.351,40.477 14.025,40.477 22.161,32.341 v1(25.654,32.341)
M1IN2: U2.9 U4.22 | length 24.6
  Top Layer w0.178: U2.9@10.41,38.519 10.41,40.617 10.41,42.437 v1(10.414,42.441) ; v1(25.654,32.991) U4.22@27.178,32.991
  Bottom Layer w0.178: v1(10.414,42.441) 11.341,41.514 11.745,41.514 12.477,40.782 14.151,40.782 21.942,32.991 v1(25.654,32.991)
M1OUT1: EM1.1 U4.1 U4.2 | length 13.9
  Top Layer w1.016: EM1.1@22.352,38.631 19.685,38.631 18.542,37.488 18.542,34.654 19.137,34.059 ; 19.137,34.059 20.32,34.059 ; 19.137,34.059 20.32,34.059 ; 19.137,34.059 20.32,34.059 ; 19.137,34.059 20.32,34.059 ; 19.137,34.059 20.32,34.059
M1OUT2: EM1.6 U4.5 U4.6 | length 27.1
  Top Layer w1.016: EM1.6@22.352,51.331 22.337,51.316 21.836,51.316 20.447,49.926 20.447,41.425 17.399,38.377 17.399,32.662 18.555,31.506 19.664,31.506 19.778,31.392 ; 19.778,31.392 20.413,31.392 ; 19.778,31.392 20.413,31.392 ; 19.778,31.392 20.413,31.392 ; 19.778,31.392 20.413,31.392 ; 19.778,31.392 20.413,31.392
M1PWM: U2.37 U4.23 | length 29.4
  Top Layer w0.178: U2.37@11.91,49.619 11.924,49.605 11.924,47.662 v1(11.938,47.648) ; v1(25.632,33.619) 25.643,33.63 27.167,33.63 U4.23@27.178,33.641
  Bottom Layer w0.178: v1(11.938,47.648) 11.9,47.61 10.464,47.61 9.397,46.543 9.397,44.349 12.659,41.087 14.277,41.087 21.745,33.619 v1(25.632,33.619)
M2EA: EM2.3 RP12.4 U2.56 | length 48
  Top Layer w0.178: U2.56@4.61,44.319 4.621,44.308 9.348,44.308 9.729,43.927 12.936,43.927 13.066,43.796 v1(13.128,43.796) ; RP12.4@28.956,33.17 28.972,33.17 29.083,33.059 v1(29.083,32.545)
  Bottom Layer w0.178: v1(13.128,43.796) 13.128,43.734 13.297,43.566 13.297,43.466 13.542,43.221 15.161,43.221 22.418,35.964 28.471,35.964 30.607,38.1 30.607,41.806 ; EM2.3@28.702,43.711 30.607,41.806 ; v1(29.083,32.545) 29.127,32.589 29.518,32.589 30.988,34.059 30.988,41.425 30.607,41.806
M2EB: EM2.4 RP12.3 U2.57 | length 58.3
  Top Layer w0.178: U2.57@4.61,43.819 4.633,43.796 5.47,43.796 5.478,43.787 9.438,43.787 9.857,43.368 13.383,43.368 13.654,43.64 v1(13.716,43.64) ; v1(28.448,32.512) 28.44,32.52 28.44,33.459 28.64,33.659 28.895,33.659 RP12.3@28.956,33.72
  Bottom Layer w0.178: v1(13.716,43.64) 15.173,43.64 22.468,36.345 28.421,36.345 29.768,37.692 29.768,39.189 30.226,39.647 30.226,41.154 28.962,42.418 28.488,42.418 27.636,43.27 27.636,45.185 EM2.4@28.702,46.251 31.293,43.66 31.293,33.933 29.486,32.126 28.852,32.126 28.466,32.512 v1(28.448,32.512)
M2IN1: U2.10 U4.17 | length 23.1
  Top Layer w0.178: U2.10@10.91,38.519 10.916,38.525 10.916,40.784 v1(10.922,40.79) ; v1(25.654,29.741) U4.17@27.178,29.741
  Bottom Layer w0.178: v1(10.922,40.79) 11.607,40.79 12.224,40.173 13.899,40.173 24.324,29.747 25.648,29.747 v1(25.654,29.741)
M2IN2: U2.11 U4.16 | length 21.6
  Top Layer w0.178: U2.11@11.41,38.519 11.41,39.686 11.706,39.982 v1(11.716,39.982) ; v1(25.654,29.091) U4.16@27.178,29.091
  Bottom Layer w0.178: v1(11.716,39.982) 11.76,39.938 12.027,39.938 12.098,39.868 13.772,39.868 24.549,29.091 v1(25.654,29.091)
M2OUT1: EM2.1 U4.11 U4.12 | length 17
  Top Layer w1.016: 19.177,27.455 19.778,27.455 21.147,27.455 23.241,29.549 23.241,34.452 27.141,38.352 28.423,38.352 EM2.1@28.702,38.631
M2OUT2: EM2.6 U4.7 U4.8 | length 28.2
  Top Layer w1.016: 19.177,29.995 19.778,29.995 21.503,29.995 22.098,30.59 22.098,34.925 25.527,38.354 25.527,50.736 26.122,51.331 EM2.6@28.702,51.331
M2PWM: U2.38 U4.15 | length 32.9
  Top Layer w0.178: U2.38@11.41,49.619 11.42,49.609 11.42,48.039 v1(11.43,48.029) ; v1(25.654,28.441) U4.15@27.178,28.441
  Bottom Layer w0.178: v1(11.43,48.029) 10.452,48.029 9.092,46.669 9.092,41.985 11.514,39.563 13.646,39.563 24.768,28.441 v1(25.654,28.441)
M3EA: EM3.3 RP34.2 U2.58 | length 64.7
  Top Layer w0.178: U2.58@4.61,43.319 4.616,43.324 7.741,43.324 v1(7.747,43.33) ; v1(41.402,35.456) 41.783,35.456 42.299,34.94 42.299,34.481 42.499,34.281 42.754,34.281 RP34.2@42.815,34.22
  Bottom Layer w0.178: v1(7.747,43.33) 8.509,43.33 8.763,43.076 8.763,41.883 11.388,39.258 13.52,39.258 24.815,27.963 40.386,27.963 40.64,28.217 40.64,34.694 v1(41.402,35.456) 39.879,35.456 37.719,37.616 37.719,41.044 EM3.3@35.052,43.711
M3EB: EM3.4 RP34.1 U2.59 | length 67.5
  Top Layer w0.178: U2.59@4.61,42.819 8.158,42.819 8.282,42.695 v1(8.344,42.695) ; v1(41.656,35.964) 41.706,35.964 42.604,35.066 42.604,34.881 42.715,34.77 RP34.1@42.815,34.77
  Bottom Layer w0.178: v1(8.344,42.695) 8.344,41.871 11.262,38.953 13.394,38.953 24.719,27.628 40.482,27.628 40.945,28.091 40.945,34.237 41.821,35.113 41.821,35.799 v1(41.656,35.964) 41.612,36.008 41.243,36.008 41.236,36.015 39.751,36.015 38.024,37.742 38.024,43.279 EM3.4@35.052,46.251
M3IN1: U2.24 U5.21 | length 41.1
  Top Layer w0.178: v1(11.557,44.346) 11.62,44.282 13.666,44.282 14.129,43.819 U2.24@15.71,43.819 ; v1(39.624,32.359) U5.21@41.038,32.359
  Bottom Layer w0.178: v1(11.557,44.346) 11.594,44.309 11.594,43.876 13.164,42.306 14.782,42.306 22.039,35.05 26.087,35.05 27.33,33.807 27.33,31.949 28.068,31.211 38.476,31.211 v1(39.624,32.359)
M3IN2: U2.25 U5.22 | length 40.7
  Top Layer w0.178: v1(11.938,44.727) 12.078,44.587 13.792,44.587 14.06,44.319 U2.25@15.71,44.319 ; v1(39.624,33.009) U5.22@41.038,33.009
  Bottom Layer w0.178: v1(11.938,44.727) 11.987,44.678 11.987,43.914 13.29,42.611 14.909,42.611 22.165,35.354 26.214,35.354 27.635,33.933 27.635,32.076 28.195,31.516 38.131,31.516 v1(39.624,33.009)
M3OUT1: EM3.1 U5.1 U5.2 | length 5.3
  Top Layer w1.016: 33.196,34.617 33.196,37.694 33.791,38.289 34.71,38.289 EM3.1@35.052,38.631
M3OUT2: EM3.6 U5.5 U5.6 | length 22.8
  Top Layer w1.016: 32.809,31.308 32.542,31.524 31.75,32.316 31.75,40.282 32.893,41.425 32.893,50.736 33.488,51.331 EM3.6@35.052,51.331
M3PWM: U2.39 U5.23 | length 43.7
  Top Layer w0.178: U2.39@10.91,49.619 10.91,47.406 11.557,46.759 v1(13.462,46.759) ; v1(39.624,33.659) U5.23@41.038,33.659
  Bottom Layer w0.178: v1(13.462,46.759) 12.527,45.824 12.527,43.804 13.416,42.916 15.035,42.916 22.291,35.659 26.34,35.659 27.94,34.059 27.94,32.202 28.321,31.821 37.786,31.821 v1(39.624,33.659)